# Altium PCB MAIN_BOARD.PcbDoc (part 4 of 4)
Units mm, origin at the board's own origin, x right, y up, seen from the top; angles counter-clockwise.
Board outline 130 x 120 mm, 4 copper layers (TOP, GND/INT_SIG_1, GND/INT_SIG_2, BOTTOM), stack 1.586 mm thick; 406 components, 346 nets, 1737 pads, 289 vias.
Unrouted connection lines stored in the file: 716.
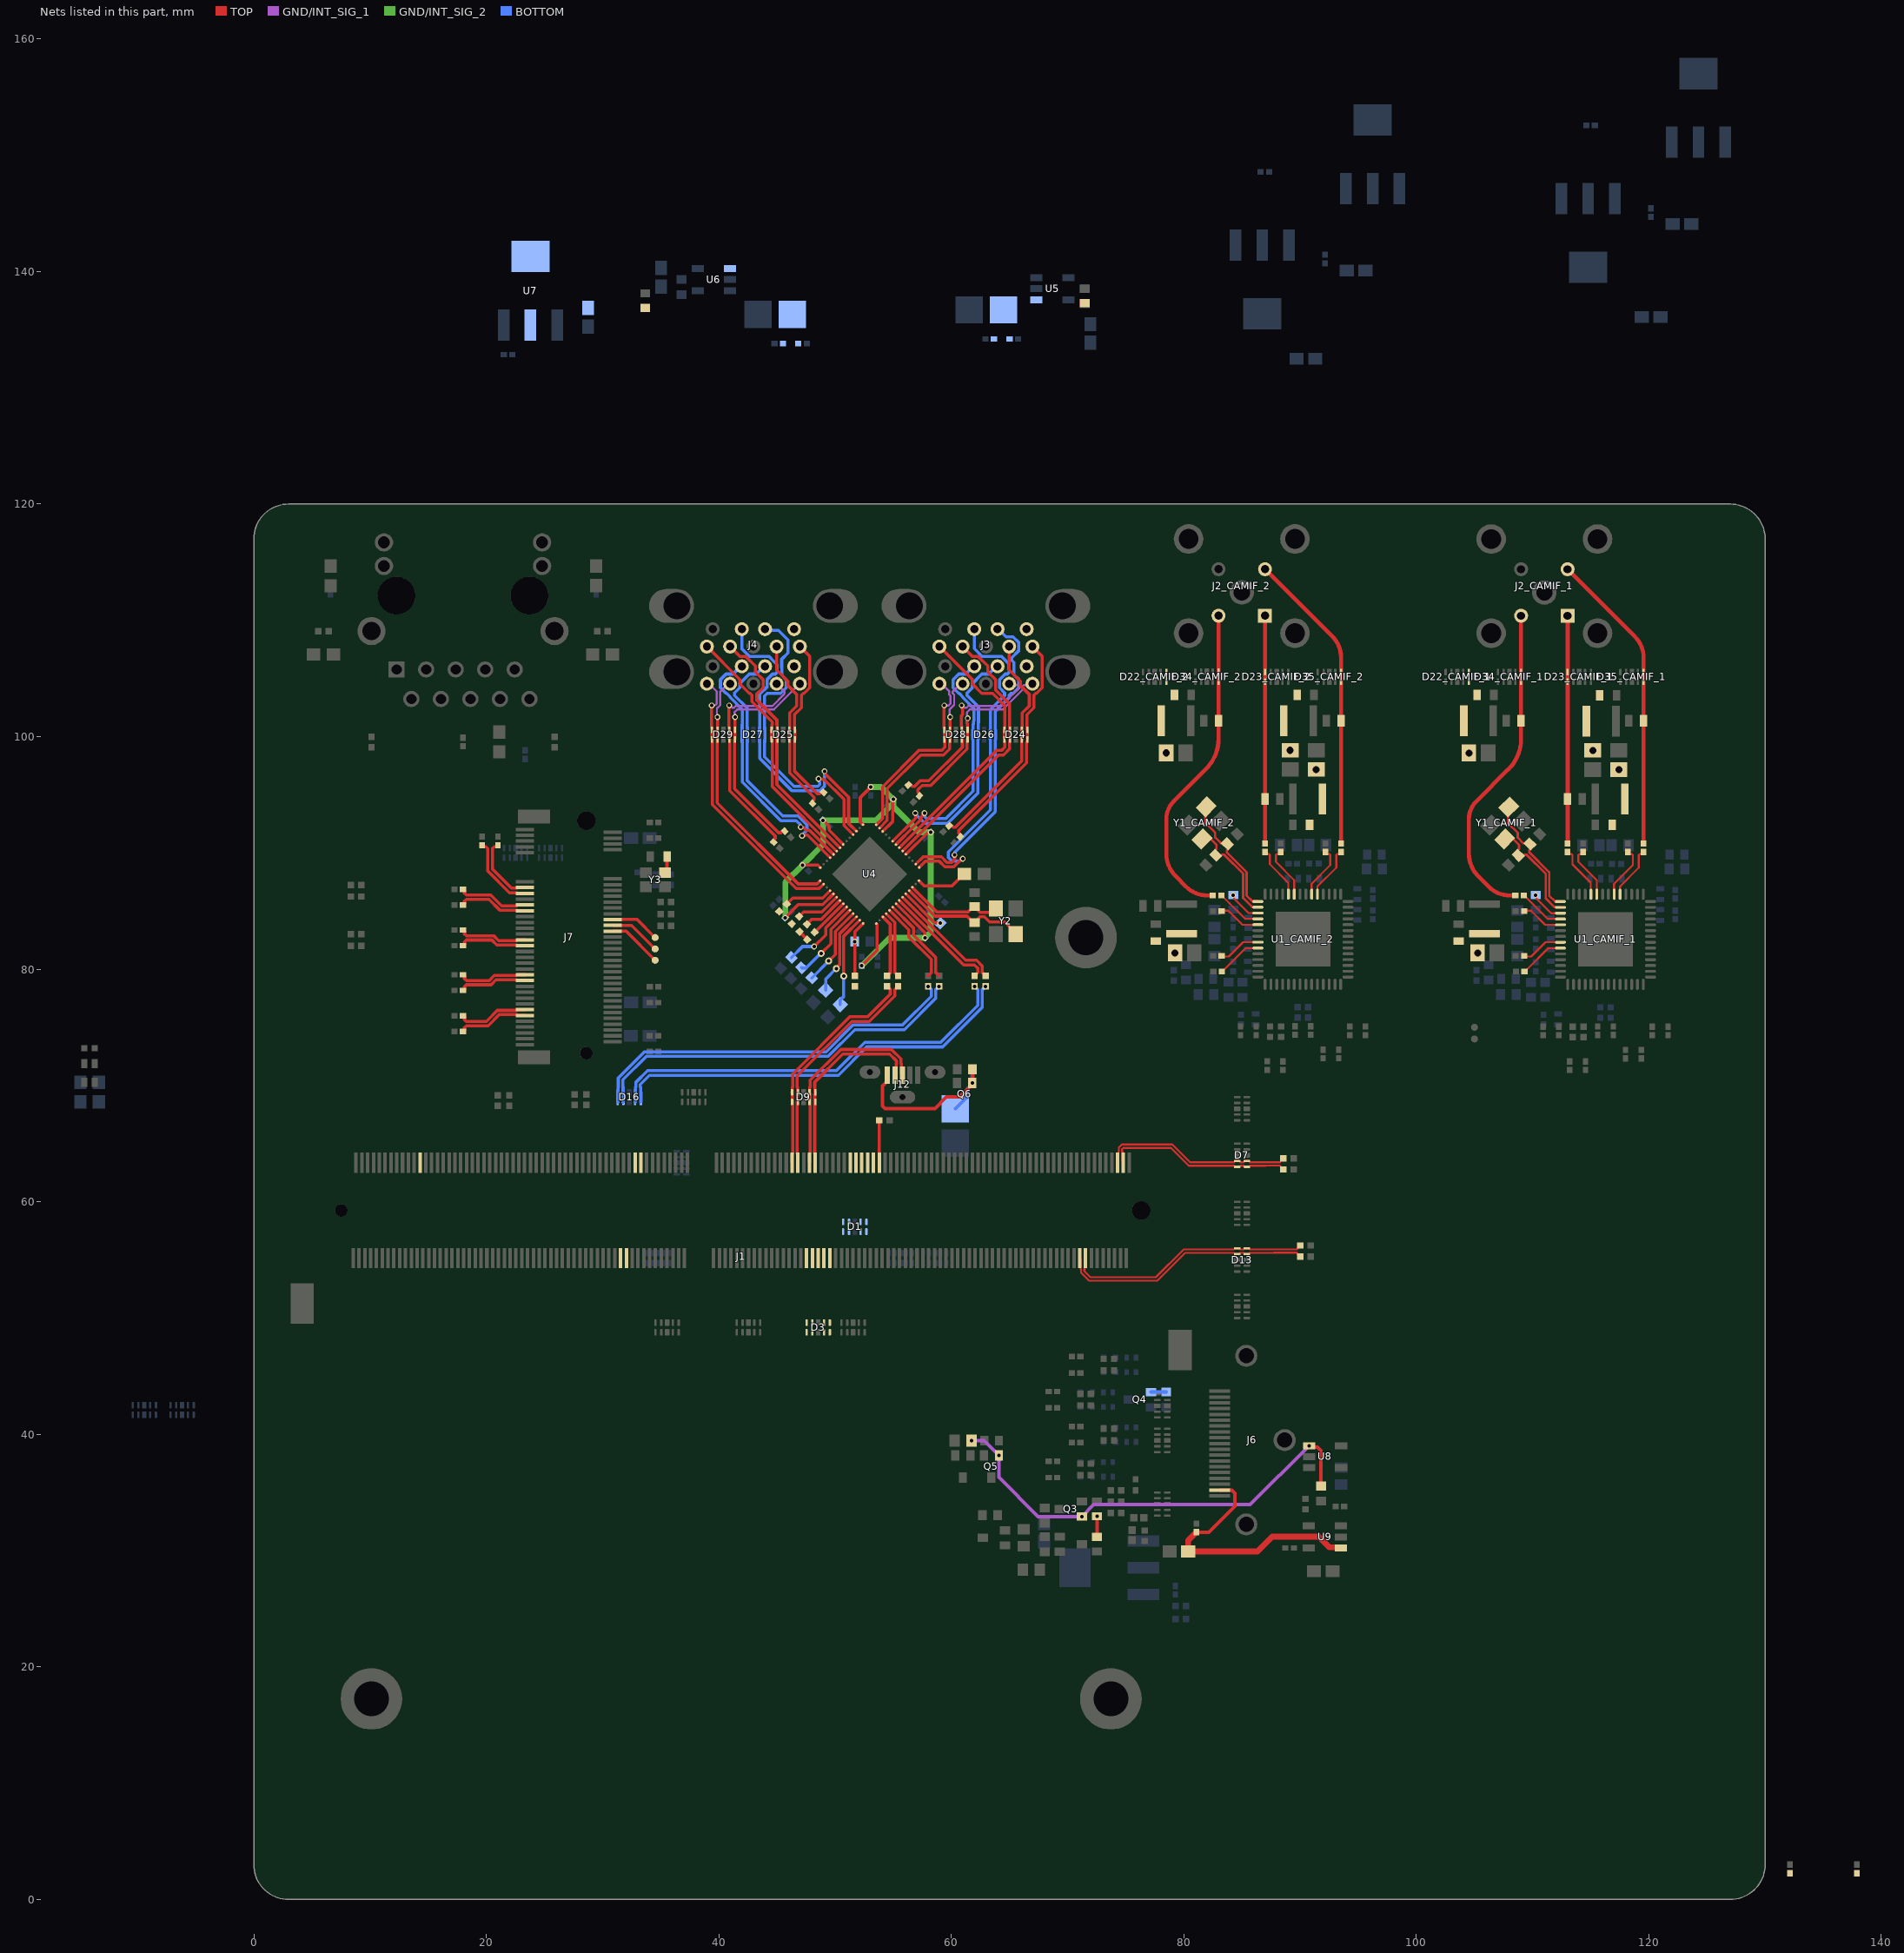
[diagram p6: the nets of this part, all layers, seen from the top]

## Via types
v1: diameter 0.5, hole 0.3, TOP to BOTTOM, 244 vias
v2: diameter 0.5, hole 0.2, TOP to BOTTOM, 32 vias
v3: diameter 1, hole 0.6, TOP to BOTTOM, 8 vias
v4: diameter 5, hole 3, TOP to BOTTOM, 5 vias

## Nets (pads, with @x,y where several pads share a name; then routed paths per layer and width w, separated by ;. In a path a pad name is that pad's centre, name@x,y a point inside that pad or via, vN(x,y) a via of type N, cw(c..) or ccw(c..) an arc to the next point about the centre after c; other vN are vias at no path point) (continued)
PoC_B_CAMIF_1: C8_CAMIF_1.2 D22_CAMIF_1.5 D22_CAMIF_1.6 D34_CAMIF_1.5 D34_CAMIF_1.6 J2_CAMIF_1.4 L5_CAMIF_1.2 | length 28
  TOP w0.355: 105.151,94.425 ccw(c106.678,92.898) 104.519,92.898 104.519,89.95 ccw(c107.315,89.95) 105.338,87.973 106.225,87.086 ccw(c108.021,88.882) 108.021,86.342 C8_CAMIF_1.2@108.511,86.342 ; 105.152,94.425 107.928,97.201 ccw(c105.321,99.808) 109.008,99.808 L5_CAMIF_1.2@109.008,101.367 D34_CAMIF_1.5@109.008,104.732 D34_CAMIF_1.6@109.008,105.567 J2_CAMIF_1.4@109.008,110.392
PoC_B_CAMIF_2: C8_CAMIF_2.2 D22_CAMIF_2.5 D22_CAMIF_2.6 D34_CAMIF_2.5 D34_CAMIF_2.6 J2_CAMIF_2.4 L5_CAMIF_2.2 | length 28
  TOP w0.355: 79.127,94.432 ccw(c80.654,92.906) 78.495,92.906 78.495,89.958 ccw(c81.291,89.958) 79.314,87.981 80.201,87.094 ccw(c81.997,88.89) 81.997,86.35 C8_CAMIF_2.2@82.487,86.35 ; 79.128,94.433 81.904,97.209 ccw(c79.297,99.816) 82.983,99.816 L5_CAMIF_2.2@82.983,101.375 D34_CAMIF_2.5@82.983,104.74 D34_CAMIF_2.6@82.983,105.575 J2_CAMIF_2.4@82.983,110.4
PoC_C_CAMIF_1: C15_CAMIF_1.2 D23_CAMIF_1.1 D23_CAMIF_1.10 J2_CAMIF_1.1 L7_CAMIF_1.2 | length 19.6
  TOP w0.355: C15_CAMIF_1.2@113.008,90.806 L7_CAMIF_1.2@113.008,94.642 D23_CAMIF_1.1@113.008,104.725 D23_CAMIF_1.10@113.008,105.56 J2_CAMIF_1.1@113.008,110.392
PoC_C_CAMIF_2: C15_CAMIF_2.2 D23_CAMIF_2.1 D23_CAMIF_2.10 J2_CAMIF_2.1 L7_CAMIF_2.2 | length 19.6
  TOP w0.355: C15_CAMIF_2.2@86.983,90.813 L7_CAMIF_2.2@86.983,94.65 D23_CAMIF_2.1@86.983,104.733 D23_CAMIF_2.10@86.983,105.568 J2_CAMIF_2.1@86.983,110.4
PoC_D_CAMIF_1: C16_CAMIF_1.2 D35_CAMIF_1.5 D35_CAMIF_1.6 J2_CAMIF_1.2 L9_CAMIF_1.2 | length 26.2
  TOP w0.355: J2_CAMIF_1.2@113.008,114.392 118.8,108.6 cw(c117.004,106.804) 119.544,106.804 D35_CAMIF_1.6@119.544,105.56 D35_CAMIF_1.5@119.544,104.725 L9_CAMIF_1.2@119.544,101.367 C16_CAMIF_1.2@119.544,90.806
PoC_D_CAMIF_2: C16_CAMIF_2.2 D35_CAMIF_2.5 D35_CAMIF_2.6 J2_CAMIF_2.2 L9_CAMIF_2.2 | length 26.2
  TOP w0.355: J2_CAMIF_2.2@86.983,114.4 92.776,108.608 cw(c90.98,106.812) 93.52,106.812 D35_CAMIF_2.6@93.52,105.568 D35_CAMIF_2.5@93.52,104.733 L9_CAMIF_2.2@93.52,101.375 C16_CAMIF_2.2@93.52,90.813
PoC_PWR_CAMIF_1: C121_CAMIF_1.1 C122_CAMIF_1.1 C123_CAMIF_1.1 C124_CAMIF_1.1 L2_CAMIF_1.1 L4_CAMIF_1.1 L6_CAMIF_1.1 L8_CAMIF_1.1 R24_CAMIF_1.1 R26_CAMIF_1.1 R27_CAMIF_1.1 R29_CAMIF_1.1
  other v3: 105.268,81.392 117.417,97.165 104.518,98.592 115.167,98.817
PoC_PWR_CAMIF_2: C121_CAMIF_2.1 C122_CAMIF_2.1 C123_CAMIF_2.1 C124_CAMIF_2.1 L2_CAMIF_2.1 L4_CAMIF_2.1 L6_CAMIF_2.1 L8_CAMIF_2.1 R24_CAMIF_2.1 R26_CAMIF_2.1 R27_CAMIF_2.1 R29_CAMIF_2.1
  other v3: 79.244,81.4 91.393,97.173 78.494,98.6 89.143,98.824
POWER_EN: J1.237
PRE_CLK_N: C116.1 J7.53 | length 6.5
  TOP w0.266: C116.1@19.65,90.667 19.65,90.633 19.753,90.53 19.972,90.53 20.128,90.374 20.128,88.448 22.004,86.573 22.647,86.573 22.7,86.52 J7.53@23.325,86.52
PRE_CLK_P: C117.1 J7.55 | length 5.9
  TOP w0.266: C117.1@21,90.667 21,90.633 20.897,90.53 20.678,90.53 20.522,90.374 20.522,88.611 22.167,86.966 22.647,86.966 22.7,87.02 J7.55@23.325,87.02
PRE_CSI0_D1_N: D13.1 D13.10 J1.16 R3.1 | length 21.3
  TOP w0.168: J1.16@71.55,55.15 71.484,55.084 71.484,54.203 71.447,54.166 71.447,54.023 71.971,53.5 77.593,53.5 79.99,55.898 84.297,55.898 84.4,56 D13.1@84.583,56 84.765,56 84.868,55.898 85.132,55.898 85.235,56 D13.10@85.417,56 85.6,56 85.703,55.898 87.634,55.898 87.643,55.906 89.711,55.906 89.809,56.005 89.809,56.044 R3.1@90,56.235
PRE_CSI0_D1_P: D13.2 D13.9 J1.18 R4.1 | length 21.8
  TOP w0.168: J1.18@71.05,55.15 71.116,55.084 71.116,54.203 71.152,54.166 71.152,53.901 71.848,53.205 77.715,53.205 80.112,55.602 84.297,55.602 84.4,55.5 D13.2@84.583,55.5 84.765,55.5 84.868,55.602 85.132,55.602 85.235,55.5 D13.9@85.417,55.5 85.6,55.5 85.703,55.602 87.756,55.602 87.765,55.611 89.711,55.611 89.809,55.513 89.809,55.474 R4.1@90,55.283
PRE_CSI1_D0_N: D7.1 D7.10 J1.3 R1.1 | length 16.1
  TOP w0.168: J1.3@74.8,63.35 74.734,63.416 74.734,64.297 74.697,64.334 74.697,64.535 74.796,64.633 78.888,64.633 80.419,63.102 84.297,63.102 84.4,63 D7.10@84.583,63 84.765,63 84.868,63.102 85.132,63.102 85.235,63 D7.1@85.417,63 85.6,63 85.703,63.102 87.035,63.102 87.037,63.104 88.261,63.104 88.359,63.006 88.359,62.966 R1.1@88.55,62.775
PRE_CSI1_D0_P: D7.2 D7.9 J1.5 R2.1 | length 16.6
  TOP w0.168: J1.5@74.3,63.35 74.366,63.416 74.366,64.297 74.402,64.334 74.402,64.657 74.674,64.928 79.01,64.928 80.541,63.397 84.297,63.397 84.4,63.5 D7.9@84.583,63.5 84.765,63.5 84.868,63.397 85.132,63.397 85.235,63.5 D7.2@85.417,63.5 85.6,63.5 85.703,63.397 86.913,63.397 86.914,63.399 88.261,63.399 88.359,63.498 88.359,63.537 R2.1@88.55,63.728
PRE_TX0_N: C107.1 J7.47 | length 6.1
  TOP w0.266: C107.1@18,85.524 18.022,85.524 18.125,85.627 18.125,85.859 18.281,86.015 20.229,86.015 21.159,85.086 22.634,85.086 22.7,85.02 J7.47@23.325,85.02
PRE_TX0_P: C114.1 J7.49 | length 6.1
  TOP w0.266: C114.1@18,86.874 18.022,86.874 18.125,86.771 18.125,86.539 18.281,86.383 20.382,86.383 21.311,85.454 22.634,85.454 22.7,85.52 J7.49@23.325,85.52
PRE_TX1_N: C102.1 J7.35 | length 5.9
  TOP w0.266: C102.1@18,82.02 18.022,82.02 18.125,82.123 18.125,82.354 18.281,82.511 20.482,82.511 20.907,82.086 22.634,82.086 22.7,82.02 J7.35@23.325,82.02
PRE_TX1_P: C103.1 J7.37 | length 5.9
  TOP w0.266: C103.1@18,83.37 18.022,83.37 18.125,83.267 18.125,83.035 18.281,82.879 20.634,82.879 21.059,82.454 22.634,82.454 22.7,82.52 J7.37@23.325,82.52
PRE_TX2_N: C100.1 J7.23 | length 5.9
  TOP w0.266: C100.1@18,78.17 18.022,78.17 18.125,78.273 18.125,78.504 18.281,78.661 20.418,78.661 20.843,79.086 22.634,79.086 22.7,79.02 J7.23@23.325,79.02
PRE_TX2_P: C101.1 J7.25 | length 5.9
  TOP w0.266: C101.1@18,79.52 18.022,79.52 18.125,79.417 18.125,79.185 18.281,79.029 20.266,79.029 20.691,79.454 22.634,79.454 22.7,79.52 J7.25@23.325,79.52
PRE_TX3_N: C98.1 J7.11 | length 6.1
  TOP w0.266: C98.1@18.002,74.646 18.023,74.646 18.126,74.749 18.126,74.982 18.282,75.138 20.158,75.138 21.105,76.086 22.634,76.086 22.7,76.02 J7.11@23.325,76.02
PRE_TX3_P: C99.1 J7.13 | length 6.1
  TOP w0.266: C99.1@18,75.998 18.021,75.998 18.124,75.895 18.124,75.662 18.281,75.506 20.005,75.506 20.953,76.454 22.634,76.454 22.7,76.52 J7.13@23.325,76.52
PRT01_CTL: R41.1 R42.2 R44.2 | length 1
  TOP w0.3: R44.2@46.943,83.227 46.943,83.221 47.611,82.552 R42.2@47.611,82.546
PRT23_CTL: R45.2 R46.2 R50.1
REC_USB_VBUS: C118.1 C119.2 J12.1 Q6.1 R22.2 | length 15.6
  TOP w0.3: J12.1@54.5,70.9 54.425,70.825 54.425,70.3 54.075,69.95 54.075,68.225 54.3,68 58.585,68 59.587,69.002 60.702,69.002 61.8,70.1 v1(61.8,70.2) R22.2@61.8,71.4
  BOTTOM w0.3: C118.1@60.35,68 61.375,69.025 61.375,69.692 61.8,70.117 C119.2@61.8,70.15 v1(61.8,70.2)
SIOA_CAMIF_1_N: C12_CAMIF_1.1 U1_CAMIF_1.22 | length 3.7
  TOP w0.168: C12_CAMIF_1.1@109.269,81.142 109.323,81.088 109.886,81.088 111.115,82.317 U1_CAMIF_1.22@112.394,82.317
SIOA_CAMIF_1_P: C7_CAMIF_1.1 U1_CAMIF_1.23 | length 3.9
  TOP w0.168: C7_CAMIF_1.1@109.294,79.792 109.327,79.792 109.48,79.945 109.48,79.95 111.329,81.799 112.376,81.799 U1_CAMIF_1.23@112.394,81.817
SIOA_CAMIF_2_N: C12_CAMIF_2.1 U1_CAMIF_2.22 | length 3.7
  TOP w0.168: C12_CAMIF_2.1@83.245,81.15 83.299,81.096 83.862,81.096 85.09,82.325 U1_CAMIF_2.22@86.37,82.325
SIOA_CAMIF_2_P: C7_CAMIF_2.1 U1_CAMIF_2.23 | length 3.9
  TOP w0.168: C7_CAMIF_2.1@83.27,79.8 83.303,79.8 83.455,79.952 83.455,79.957 85.305,81.807 86.352,81.807 U1_CAMIF_2.23@86.37,81.825
SIOB_CAMIF_1_N: C13_CAMIF_1.1 U1_CAMIF_1.19 | length 3.6
  TOP w0.168: C13_CAMIF_1.1@109.269,84.992 109.308,85.032 109.856,85.032 111.072,83.815 112.392,83.815 U1_CAMIF_1.19@112.394,83.817
SIOB_CAMIF_1_P: C8_CAMIF_1.1 U1_CAMIF_1.18 | length 4
  TOP w0.168: C8_CAMIF_1.1@109.244,86.342 109.277,86.342 109.952,85.668 111.287,84.333 112.378,84.333 U1_CAMIF_1.18@112.394,84.317
SIOB_CAMIF_2_N: C13_CAMIF_2.1 U1_CAMIF_2.19 | length 3.6
  TOP w0.168: C13_CAMIF_2.1@83.245,85 83.284,85.039 83.832,85.039 85.048,83.823 86.368,83.823 U1_CAMIF_2.19@86.37,83.825
SIOB_CAMIF_2_P: C8_CAMIF_2.1 U1_CAMIF_2.18 | length 4
  TOP w0.168: C8_CAMIF_2.1@83.22,86.35 83.253,86.35 83.927,85.676 85.262,84.341 86.354,84.341 U1_CAMIF_2.18@86.37,84.325
SIOC_CAMIF_1_N: C17_CAMIF_1.1 U1_CAMIF_1.9 | length 4.6
  TOP w0.168: C17_CAMIF_1.1@114.351,90.073 114.351,90.062 114.198,89.91 114.037,89.91 113.938,89.811 113.938,89.231 115.519,87.65 U1_CAMIF_1.9@115.519,86.442
SIOC_CAMIF_1_P: C15_CAMIF_1.1 U1_CAMIF_1.10 | length 4.6
  TOP w0.168: C15_CAMIF_1.1@113.008,90.073 113.008,90.062 113.16,89.91 113.322,89.91 113.42,89.811 113.42,89.016 115.001,87.435 115.001,86.46 U1_CAMIF_1.10@115.019,86.442
SIOC_CAMIF_2_N: C17_CAMIF_2.1 U1_CAMIF_2.9 | length 4.6
  TOP w0.168: C17_CAMIF_2.1@88.326,90.08 88.326,90.07 88.174,89.917 88.012,89.917 87.914,89.819 87.914,89.238 89.495,87.657 U1_CAMIF_2.9@89.495,86.45
SIOC_CAMIF_2_P: C15_CAMIF_2.1 U1_CAMIF_2.10 | length 4.6
  TOP w0.168: C15_CAMIF_2.1@86.983,90.08 86.983,90.07 87.136,89.917 87.298,89.917 87.396,89.819 87.396,89.024 88.977,87.443 88.977,86.468 U1_CAMIF_2.10@88.995,86.45
SIOD_CAMIF_1_N: C18_CAMIF_1.1 U1_CAMIF_1.6 | length 4.6
  TOP w0.168: U1_CAMIF_1.6@117.019,86.442 117.001,86.46 117.001,87.33 118.613,88.943 118.613,89.811 118.515,89.91 118.353,89.91 118.201,90.062 C18_CAMIF_1.1@118.201,90.073
SIOD_CAMIF_1_P: C16_CAMIF_1.1 U1_CAMIF_1.5 | length 4.6
  TOP w0.168: U1_CAMIF_1.5@117.519,86.442 117.519,87.116 119.131,88.728 119.131,89.811 119.23,89.91 119.392,89.91 119.544,90.062 C16_CAMIF_1.1@119.544,90.073
SIOD_CAMIF_2_N: C18_CAMIF_2.1 U1_CAMIF_2.6 | length 4.6
  TOP w0.168: U1_CAMIF_2.6@90.995,86.45 90.977,86.468 90.977,87.338 92.589,88.951 92.589,89.819 92.491,89.917 92.329,89.917 92.177,90.07 C18_CAMIF_2.1@92.177,90.08
SIOD_CAMIF_2_P: C16_CAMIF_2.1 U1_CAMIF_2.5 | length 4.6
  TOP w0.168: U1_CAMIF_2.5@91.495,86.45 91.495,87.124 93.107,88.736 93.107,89.819 93.206,89.917 93.367,89.917 93.52,90.07 C16_CAMIF_2.1@93.52,90.08
SMB_CLK: J7.40 TP5.1 | length 4.7
  TOP w0.266: J7.40@30.875,83.27 32.025,83.27 TP5.1@34.525,80.77
SMB_DATA: J7.42 TP6.1 | length 4.5
  TOP w0.266: J7.42@30.875,83.77 32.5,83.77 TP6.1@34.525,81.745
SMB_nALERT: J7.44 TP7.1 | length 4.3
  TOP w0.266: J7.44@30.875,84.27 32.975,84.27 TP7.1@34.525,82.72
SPI0_MISO: D1.4 D1.7 J1.93
SPI0_MOSI: D1.1 D1.10 J1.89
SPI0_nCS_0: D1.5 D1.6 J1.95
SPI0_nCS_1: J1.97
SPI0_SCLK: D1.2 D1.9 J1.91
SPI1_MISO: D3.4 D3.7 J1.108
SPI1_MOSI: D3.1 D3.10 J1.104
SPI1_nCS_0: D3.5 D3.6 J1.110
SPI1_nCS_1: J1.112
SPI1_SCLK: D3.2 D3.9 J1.106
SUSCLK_32: R102.2 Y3.3 | length 1.5
  TOP w0.3: Y3.3@35.362,88.313 35.55,88.5 R102.2@35.55,89.7
USB0_D_N: D9.1 D9.10 J1.109 J12.2 | length 16.5
  TOP w0.266: J1.109@48.3,63.35 48.3,64.075 48.247,64.128 48.247,69.248 48.3,69.301 D9.1@48.3,69.417 48.267,69.451 48.267,69.846 48.247,69.866 48.247,70.284 50.663,72.7 54.694,72.7 55.278,72.116 55.278,71.895 55.242,71.859 55.242,70.992 J12.2@55.15,70.9
USB0_D_P: D9.2 D9.9 J1.111 J12.3 | length 17.8
  TOP w0.266: J1.111@47.8,63.35 47.8,64.075 47.853,64.128 47.853,69.248 47.8,69.301 D9.2@47.8,69.417 47.833,69.451 47.833,69.846 47.853,69.866 47.853,70.447 50.5,73.093 54.857,73.093 55.672,72.279 55.672,71.895 55.708,71.859 55.708,70.992 J12.3@55.8,70.9
USB0_RX_N: D24.1 D24.10 J3.A5 U4.7 | length 23.9
  TOP w0.266: U4.7@55.529,90.448 55.533,90.448 63.896,98.811 64.324,98.811 64.603,99.09 64.603,99.311 64.583,99.331 D24.1@64.583,99.61 ; J3.A5@58.975,107.747 61.81,104.912 61.81,104.531 62.629,103.712 63.541,103.712 64.603,102.65 64.603,101.043 64.583,101.023 64.583,100.628 D24.10@64.55,100.594 D24.1@64.55,99.909
USB0_RX_P: D24.2 D24.9 J3.A6 U4.6 | length 23.5
  TOP w0.266: U4.6@55.812,90.165 55.812,90.17 64.059,98.417 64.487,98.417 64.997,98.927 64.997,99.311 65.017,99.331 D24.2@65.017,99.61 ; J3.A6@60.975,107.747 61.84,106.882 62.321,106.882 63.14,106.062 63.14,105.562 63.81,104.893 63.81,104 64.997,102.813 64.997,101.043 65.017,101.023 65.017,100.628 D24.9@65.05,100.594 D24.2@65.05,99.759
USB0_TX_N: C60.2 D24.4 D24.7 J3.A8 | length 19.6
  TOP w0.266: C60.2@59.818,92.333 59.842,92.357 59.988,92.357 60.14,92.204 60.361,92.204 66.067,97.91 66.067,99.65 66.103,99.687 66.103,99.759 66.05,99.813 D24.7@66.05,100.594 66.083,100.628 66.083,101.023 66.103,101.043 66.103,102.04 66.71,102.647 66.71,103.631 65.932,104.409 65.932,104.771 64.975,105.727 J3.A8@64.975,107.747
USB0_TX_P: C65.2 D24.5 D24.6 J3.A9 | length 19.7
  TOP w0.266: C65.2@60.768,91.383 60.792,91.407 60.792,91.553 60.639,91.705 60.639,91.926 66.46,97.747 66.46,99.487 66.517,99.544 D24.5@66.517,99.61 ; D24.5@66.55,99.759 D24.6@66.55,100.594 66.517,100.628 66.517,101.023 66.497,101.043 66.497,101.877 67.103,102.484 67.103,103.556 67.259,103.712 67.321,103.712 67.81,104.201 67.81,106.912 J3.A9@66.975,107.747
USB1_D_N: D9.4 D9.7 J1.115 R30.1 | length 19.7
  TOP w0.266: J1.115@46.8,63.35 46.8,64.075 46.747,64.128 46.747,66.182 46.747,68.715 46.767,68.735 46.767,69.384 D9.4@46.8,69.417 46.767,69.451 46.767,69.846 46.747,69.866 46.747,70.822 51.432,75.507 52.948,75.507 55.147,77.706 55.147,78.249 R30.1@55.425,78.527
USB1_D_P: D9.5 D9.6 J1.117 R31.1 | length 19.7
  TOP w0.266: J1.117@46.3,63.35 46.3,64.075 46.353,64.128 46.353,66.345 46.353,68.715 46.333,68.735 46.333,69.384 D9.5@46.3,69.417 46.333,69.451 46.333,69.846 46.353,69.866 46.353,70.985 51.269,75.9 52.785,75.9 54.753,77.869 54.753,78.249 R31.1@54.475,78.527
USB1_RX_N: D28.1 D28.10 J3.B5 U4.14 | length 16.7
  TOP w0.266: U4.14@53.541,92.42 53.545,92.42 54.09,92.964 54.09,95.692 57.209,98.811 59.174,98.811 59.453,99.09 59.453,99.311 59.433,99.331 59.433,99.726 D28.1@59.4,99.759 59.4,100.71 59.36,100.751 59.36,102.644 v1(59.393,102.677)
  GND/INT_SIG_1 w0.179: J3.B5@58.975,104.547 59.154,104.547 59.822,103.879 59.822,103.604 59.939,103.487 59.939,102.846 59.769,102.676 v1(59.393,102.677)
USB1_RX_P: D28.2 D28.9 J3.B6 U4.13 | length 16.8
  TOP w0.266: U4.13@53.824,92.137 53.824,92.141 54.484,92.801 54.484,95.529 57.372,98.417 59.337,98.417 59.847,98.927 59.847,99.311 59.867,99.331 59.867,99.726 D28.2@59.9,99.759 D28.9@59.9,100.594 59.897,100.598 59.897,101.673 v1(59.893,101.677)
  GND/INT_SIG_1 w0.179: v1(59.893,101.677) 59.843,101.727 59.843,102.318 60.245,102.72 60.245,103.614 60.128,103.731 60.128,103.879 60.796,104.547 J3.B6@60.975,104.547
USB1_TX_N: C61.2 D28.4 D28.7 J3.B8 | length 16.6
  TOP w0.266: C61.2@56.307,95.845 56.33,95.869 56.476,95.869 56.629,95.716 56.849,95.716 57.33,96.196 58.06,96.196 60.953,99.09 60.953,99.759 60.9,99.813 60.9,100.88 60.85,100.93 60.85,101.727 60.879,101.757 60.879,101.804 60.983,101.908 60.983,102.346 60.938,102.391 60.938,102.632 v1@60.9,102.67
  GND/INT_SIG_1 w0.179: v1(60.893,102.677) 60.967,102.677 61.158,102.486 61.306,102.486 61.457,102.637 64.292,102.637 65.822,104.167 65.822,104.315 65.718,104.419 65.103,104.419 J3.B8@64.975,104.547
USB1_TX_P: C68.2 D28.5 D28.6 J3.B9 | length 16.2
  TOP w0.266: C68.2@57.257,94.895 57.28,94.919 57.28,95.065 57.128,95.217 57.128,95.438 57.492,95.803 58.222,95.803 61.347,98.927 61.347,99.759 61.4,99.813 D28.6@61.4,100.594 ; D28.6@61.397,100.751 61.397,101.085 61.346,101.136 61.346,101.356 61.368,101.378 61.368,101.543 v1(61.413,101.588)
  GND/INT_SIG_1 w0.179: v1(61.413,101.588) 61.351,101.649 61.351,101.878 61.343,101.887 61.343,102.09 61.584,102.331 64.419,102.331 66.128,104.04 66.128,104.315 66.232,104.419 66.847,104.419 J3.B9@66.975,104.547
USB2_RX_N: D25.1 D25.10 J4.A5 U4.23 | length 22.3
  TOP w0.266: J4.A5@38.975,107.747 41.81,104.912 41.81,104.531 42.629,103.712 42.695,103.712 42.851,103.556 42.851,103.016 44.603,101.264 44.603,101.043 44.583,101.023 44.583,100.628 D25.10@44.55,100.594 44.55,99.813 44.603,99.759 44.603,95.705 50.147,90.161 U4.23@50.147,90.157
USB2_RX_P: D25.2 D25.9 J4.A6 U4.22 | length 22
  TOP w0.266: J4.A6@40.975,107.747 41.84,106.882 42.321,106.882 43.14,106.062 43.14,105.562 43.81,104.893 43.81,104.201 43.244,103.635 43.244,103.179 44.997,101.427 44.997,101.043 45.017,101.023 45.017,100.628 D25.9@45.05,100.594 45.05,99.813 44.997,99.759 44.997,95.868 50.425,90.44 U4.22@50.429,90.44
USB2_TX_N: C62.2 D25.4 D25.7 J4.A8 | length 15.4
  TOP w0.266: J4.A8@44.975,107.747 44.975,105.727 45.932,104.771 45.932,104.409 46.71,103.631 46.71,102.647 46.103,102.04 46.103,101.043 46.083,101.023 46.083,100.628 D25.7@46.05,100.594 D25.4@46.05,99.759 46.083,99.726 46.083,99.331 46.103,99.311 46.103,96.884 48.189,94.798 48.189,94.577 48.036,94.424 48.036,94.279 C62.2@48.06,94.255
USB2_TX_P: C69.2 D25.5 D25.6 J4.A9 | length 15.1
  TOP w0.266: J4.A9@46.975,107.747 47.81,106.912 47.81,104.201 47.321,103.712 47.259,103.712 47.103,103.556 47.103,102.484 46.497,101.877 46.497,101.043 46.517,101.023 46.517,100.628 D25.6@46.55,100.594 D25.5@46.55,99.759 46.517,99.726 46.517,99.331 46.497,99.311 46.497,97.047 48.467,95.076 48.688,95.076 48.841,95.229 48.986,95.229 C69.2@49.01,95.205
USB2UP_N: R30.2 U4.46 | length 5.8
  TOP w0.266: U4.46@54.397,84.774 54.397,84.77 55.147,84.021 55.147,79.705 R30.2@55.425,79.427
USB2UP_P: R31.2 U4.45 | length 5.4
  TOP w0.266: U4.45@54.115,84.492 54.119,84.492 54.753,83.858 54.753,79.705 R31.2@54.475,79.427
USB3_RX_N: D29.1 D29.10 J4.B5 U4.30 | length 23.9
  TOP w0.266: v1(39.393,102.677) 39.36,102.644 39.36,100.751 39.4,100.71 39.4,99.813 39.453,99.759 39.453,94.149 46.663,86.939 48.621,86.939 49.002,87.32 U4.30@49.007,87.32
  GND/INT_SIG_1 w0.179: J4.B5@38.975,104.547 39.154,104.547 39.822,103.879 39.822,102.98 39.822,102.832 39.718,102.727 39.444,102.727 v1(39.393,102.677)
USB3_RX_P: D29.2 D29.9 J4.B6 U4.29 | length 22.7
  TOP w0.266: v1(39.893,101.677) 39.896,101.673 39.896,100.598 D29.9@39.9,100.594 39.9,99.813 39.847,99.759 39.847,94.312 46.826,87.332 48.458,87.332 48.724,87.598 U4.29@48.724,87.603
  GND/INT_SIG_1 w0.179: v1(39.893,101.677) 39.843,101.727 39.843,102.421 40.128,102.705 40.128,103.107 40.128,103.879 40.796,104.547 J4.B6@40.975,104.547
USB3_TX_N: C64.2 D29.4 D29.7 J4.B8 | length 20
  TOP w0.266: v1(40.893,102.677) 40.86,102.644 40.86,100.751 40.9,100.71 40.9,99.813 40.953,99.759 40.953,95.357 44.847,91.463 44.847,91.242 44.695,91.09 44.695,90.944 C64.2@44.718,90.92
  GND/INT_SIG_1 w0.179: v1(40.893,102.677) 40.967,102.677 41.158,102.486 41.306,102.486 41.457,102.637 44.616,102.637 45.636,103.657 45.636,103.736 45.637,103.737 45.637,103.885 J4.B8@44.975,104.547
USB3_TX_P: C70.2 D29.5 D29.6 J4.B9 | length 19.4
  TOP w0.266: v1(41.393,101.677) 41.396,101.673 41.396,100.598 D29.6@41.4,100.594 41.4,99.813 41.347,99.759 41.347,95.52 45.126,91.741 45.346,91.741 45.499,91.894 45.645,91.894 C70.2@45.668,91.87
  GND/INT_SIG_1 w0.179: v1(41.393,101.677) 41.343,101.727 41.343,102.09 41.584,102.331 44.742,102.331 46.699,104.288 46.699,104.547 J4.B9@46.975,104.547
USB3UP_RX_N: R33.2 U4.51 | length 10.3
  TOP w0.266: U4.51@55.803,86.197 55.803,86.192 61.234,80.761 62.158,80.761 62.672,80.248 62.672,79.705 R33.2@62.95,79.427
USB3UP_RX_P: R34.2 U4.50 | length 9.9
  TOP w0.266: U4.50@55.521,85.914 55.525,85.914 61.071,80.368 61.995,80.368 62.278,80.085 62.278,79.705 R34.2@62,79.427
USB3UP_TX_N: C39.1 U4.48 | length 7.6
  TOP w0.266: U4.48@54.963,85.34 54.963,85.336 56.736,83.563 56.736,82.937 58.672,81.001 58.672,79.705 58.95,79.427
USB3UP_TX_P: C74.1 U4.47 | length 7.2
  TOP w0.266: U4.47@54.68,85.057 54.685,85.057 56.342,83.4 56.342,82.774 58.278,80.838 58.278,79.705 58,79.427
USB_1V2: C44.2 C45.2 C46.2 C47.2 C48.2 C50.2 C51.2 C54.2 C77.1 U4.5 U4.12 U4.15 U4.21 U4.28 U4.33 U4.43 U4.49 U7.2 U7.4 | length 66.5
  TOP w0.266: v1(45.716,84.433) 46.834,85.552 48.936,85.552 U4.33@49.855,86.472 ; v1(47.2,88.952) 48.523,88.952 U4.28@48.732,88.743 ; v1(48.975,92.802) 48.984,92.802 49.5,92.286 49.5,91.935 U4.21@50.704,90.731 ; v1(52.3,80.31) 53.626,81.636 53.626,83.849 U4.43@53.549,83.926 ; U4.15@52.401,92.428 52.175,92.654 52.175,94.765 v1(53.075,95.665) ; U4.12@54.106,91.854 54.972,92.72 54.972,94.557 v1(55.017,94.602) ; U4.49@55.246,85.623 57.725,83.144 v1(57.725,82.702) ; U4.5@56.095,89.882 57.945,91.732 58.18,91.732 v1(58.225,91.777)
  GND/INT_SIG_2 w0.5: v1(45.716,84.433) 45.716,87.468 v1(47.2,88.952) 48.975,90.727 v1(48.975,92.802) 53.525,92.802 55.017,94.293 ; v1(52.3,80.31) 54.692,82.702 v1(57.725,82.702) 58.225,83.202 v1(58.225,91.777) 57.225,91.777 55.017,93.985 55.017,94.293 ; v1(53.075,95.665) 53.953,95.665 v1(55.017,94.602) 55.017,94.293
USB_ATEST: R39.2 U4.52 | length 4
  TOP w0.266: U4.52@56.086,86.48 58.57,83.997 59.005,83.997 v1(59.05,83.952)
USB_CFG_CHG_EN: R49.1 TP3.1 U4.40 | length 7.4
  TOP w0.266: v1(50.1,80.052) 50.1,80.093 50.382,80.375 50.382,83.038 U4.40@51.844,84.5
  BOTTOM w0.266: R49.1@49.196,78.198 49.194,78.2 49.194,78.688 49.196,78.69 49.196,79.148 v1(50.1,80.052)
USB_CFG_NON_REM: R47.2 TP1.1 U4.41 | length 8
  TOP w0.266: v1(50.75,79.402) 50.75,82.841 U4.41@52.126,84.217
  BOTTOM w0.266: R47.2@50.446,76.948 50.446,77.346 50.75,77.649 v1(50.75,79.402)
USB_nRESET: R37.1 R38.1 U4.42 | length 4.8
  TOP w0.266: R38.1@51.7,79.402 51.7,83.225 U4.42@52.409,83.934
  other v1: 51.7,82.377
USB_nRST: R38.2
USB_PRT_CTL1: R42.1 U4.36 | length 3.5
  TOP w0.266: R42.1@48.247,83.182 48.263,83.182 U4.36@50.712,85.631
USB_PRT_CTL2: R44.1 U4.35 | length 3.7
  TOP w0.266: R44.1@47.579,83.864 48.017,84.302 48.817,84.302 U4.35@50.421,85.906
USB_PRT_CTL3: R45.1 U4.34 | length 3.9
  TOP w0.266: R45.1@46.904,84.539 47.293,84.928 48.877,84.928 U4.34@50.138,86.189
USB_PRT_CTL4: R46.1 U4.32 | length 4.2
  TOP w0.266: R46.1@45.836,85.604 46.359,86.127 48.945,86.127 U4.32@49.573,86.754
USB_RBIAS: R40.1 U4.56 | length 4.5
  TOP w0.266: U4.56@57.218,87.611 57.652,87.177 60.075,87.177 61.075,88.177 R40.1@61.125,88.177
USB_SPI_MISO: R51.1 TP4.1 U4.39 | length 7
  TOP w0.266: v1(49.45,80.702) 50.014,81.266 50.014,83.236 U4.39@51.561,84.783
  BOTTOM w0.266: R51.1@48,79.252 v1(49.45,80.702)
USB_SPI_SCLK: R48.1 TP2.1 U4.38 | length 7
  TOP w0.266: v1(48.8,81.352) 49.646,82.198 49.646,83.433 U4.38@51.278,85.066
  BOTTOM w0.266: R48.1@47.125,80.127 47.16,80.092 47.502,80.092 48.763,81.352 v1(48.8,81.352)
USBH0_D_N: D26.1 D26.10 J3.A2 U4.2 | length 27.8
  TOP w0.266: U4.2@56.943,89.034 56.948,89.034 57.589,89.674 59.132,89.674 59.613,89.194 60.047,89.194 60.285,89.431 60.285,89.817 v1(60.275,89.827)
  BOTTOM w0.266: v1(60.275,89.827) 60.32,89.872 60.32,90.089 63.772,93.541 63.772,99.311 63.792,99.331 63.792,99.726 D26.1@63.825,99.759 D26.10@63.825,100.594 63.792,100.628 63.792,101.023 63.772,101.043 63.772,102.163 64.976,103.367 64.976,103.556 65.132,103.712 65.321,103.712 65.81,104.201 65.81,104.893 65.378,105.325 65.378,106.381 65.194,106.565 65.194,106.785 65.81,107.401 65.81,108.093 65.321,108.582 64.724,108.582 64.058,109.247 J3.A2@63.975,109.247
USBH0_D_P: D26.2 D26.9 J3.A3 U4.1 | length 30.5
  TOP w0.266: U4.1@57.226,88.751 57.226,88.755 57.751,89.281 58.969,89.281 59.45,88.8 60.21,88.8 60.686,89.276 60.912,89.502 v1(60.975,89.502)
  BOTTOM w0.266: v1(60.975,89.502) 60.912,89.502 60.704,89.294 60.054,89.294 59.742,89.606 59.742,90.068 63.378,93.704 63.378,99.311 63.358,99.331 63.358,99.726 D26.2@63.325,99.759 D26.9@63.325,100.594 63.358,100.628 63.358,101.023 63.378,101.043 63.378,102.326 64.582,103.53 64.582,103.759 64.14,104.201 64.14,104.893 64.629,105.382 64.828,105.382 64.985,105.538 64.985,106.218 64.801,106.402 64.801,106.409 64.297,106.912 62.629,106.912 61.975,107.566 J3.A3@61.975,109.247
USBH1_D_N: D26.4 D26.7 J3.B2 U4.9 | length 22.9
  TOP w0.266: U4.9@54.955,91.005 55.037,91.088 55.043,91.088 56.664,92.709 56.948,92.993 56.948,93.214 56.945,93.217 56.945,93.382 v1(56.9,93.427)
  BOTTOM w0.266: v1(56.9,93.427) 56.9,93.364 57.714,92.55 59.681,92.55 62.272,95.14 62.272,99.311 62.292,99.331 62.292,99.726 D26.4@62.325,99.759 D26.7@62.325,100.594 62.308,100.611 62.308,101.173 62.339,101.204 62.339,102.558 61.364,103.534 61.364,103.755 61.81,104.201 61.81,104.562 62.629,105.382 63.226,105.382 63.892,106.047 J3.B2@63.975,106.047
USBH1_D_P: D26.5 D26.6 J3.B3 U4.8 | length 22
  TOP w0.266: U4.8@55.24,90.722 55.24,90.729 56.827,92.315 57.342,92.83 57.342,93.017 57.688,93.364 v1(57.688,93.427)
  BOTTOM w0.266: v1(57.688,93.427) 57.733,93.382 57.733,93.113 57.903,92.943 59.518,92.943 61.878,95.303 61.878,99.311 61.858,99.331 61.858,99.726 D26.5@61.825,99.759 D26.6@61.825,100.594 61.858,100.628 61.858,101.023 61.915,101.079 61.915,101.336 61.946,101.367 61.946,102.395 60.97,103.371 60.97,103.432 60.691,103.712 60.629,103.712 60.14,104.201 60.14,104.893 60.629,105.382 61.226,105.382 61.892,106.047 J3.B3@61.975,106.047
USBH2_D_N: D27.1 D27.10 J4.A2 U4.18 | length 27
  TOP w0.266: v1(48.569,96.377) 48.613,96.332 49.052,96.332 50.768,94.617 50.768,92.369 51.553,91.584 U4.18@51.553,91.579
  BOTTOM w0.266: J4.A2@43.975,109.247 44.075,109.147 45.128,109.147 45.95,108.325 45.95,107.2 45.41,106.66 45.41,105.931 45.42,105.921 45.42,105.283 45.81,104.893 45.81,104.201 45.321,103.712 44.629,103.712 44.624,103.717 44.152,103.717 43.922,103.487 43.922,101.043 43.942,101.023 43.942,100.628 D27.10@43.975,100.594 D27.1@43.975,99.759 43.942,99.726 43.942,98.258 46.473,95.727 48.52,95.727 48.676,95.883 48.676,96.104 48.613,96.167 48.613,96.332 v1(48.569,96.377)
USBH2_D_P: D27.2 D27.9 J4.A3 U4.17 | length 28.3
  TOP w0.266: 49.216,96.757 49.216,96.725 51.161,94.779 51.161,92.532 51.831,91.862 U4.17@51.835,91.862
  BOTTOM w0.266: J4.A3@41.975,109.247 41.975,107.566 42.629,106.912 44.297,106.912 44.801,106.409 44.801,106.402 45.016,106.186 45.016,105.768 45.026,105.759 45.026,105.538 44.87,105.382 44.629,105.382 44.14,104.893 44.14,104.262 43.528,103.65 43.528,101.043 43.508,101.023 43.508,100.628 D27.9@43.475,100.594 D27.2@43.475,99.759 43.508,99.726 43.508,98.202 43.548,98.161 43.548,98.095 46.31,95.334 48.683,95.334 49.102,95.752 49.102,97.025 v1(49.1,97.027)
USBH3_D_N: D27.4 D27.7 J4.B2 U4.25 | length 22.9
  TOP w0.266: v1(47.168,91.467) 47.212,91.512 47.377,91.512 47.411,91.545 47.632,91.545 49.581,89.596 U4.25@49.581,89.591
  BOTTOM w0.266: J4.B2@43.975,106.047 43.892,106.047 43.226,105.382 42.629,105.382 41.81,104.562 41.81,104.201 41.364,103.755 41.364,103.534 42.422,102.476 42.422,101.043 42.442,101.023 42.442,100.628 D27.7@42.475,100.594 42.442,100.561 42.442,99.912 42.422,99.892 42.422,99.759 42.422,96.253 45.5,93.175 46.833,93.175 47.578,92.431 47.578,91.94 47.168,91.53 v1(47.168,91.467)
USBH3_D_P: D27.5 D27.6 J4.B3 U4.24 | length 22.5
  TOP w0.266: v1(47.045,92.21) 47.089,92.165 47.287,92.165 47.513,91.938 47.795,91.938 49.859,89.874 U4.24@49.864,89.874
  BOTTOM w0.266: J4.B3@41.975,106.047 41.892,106.047 41.226,105.382 40.629,105.382 40.14,104.893 40.14,104.201 40.629,103.712 40.691,103.712 40.97,103.432 40.97,103.371 42.028,102.313 42.028,101.043 42.008,101.023 42.008,100.628 D27.6@41.975,100.594 42.008,100.561 42.008,99.912 42.028,99.892 42.028,99.759 42.028,96.09 45.337,92.782 46.67,92.782 47,92.452 47,92.254 v1(47.045,92.21)
USBSS0_RX_N: D16.1 D16.10 J1.161 R33.1 | length 35.7
  BOTTOM w0.266: D16.1@33.267,68.549 D16.1@33.3,68.582 D16.10@33.3,69.417 33.267,69.451 33.267,69.846 33.247,69.866 33.247,70.087 34.035,70.875 50.281,70.875 52.721,73.314 59.252,73.314 62.672,76.734 62.672,78.249 v1(62.95,78.527)
USBSS0_RX_P: D16.2 D16.9 J1.163 R34.1 | length 35.7
  BOTTOM w0.266: D16.2@32.833,68.549 D16.2@32.8,68.582 D16.9@32.8,69.417 32.833,69.451 32.833,69.846 32.853,69.866 32.853,70.25 33.872,71.268 50.118,71.268 52.558,73.708 59.089,73.708 62.278,76.897 62.278,78.249 v1(62,78.527)
USBSS0_TX_N: D16.4 D16.7 J1.166 R35.1 | length 32.9
  BOTTOM w0.266: D16.4@31.767,68.549 D16.4@31.8,68.582 D16.7@31.8,69.417 31.767,69.451 31.767,69.846 31.747,69.866 31.747,70.49 33.756,72.5 49.4,72.5 51.703,74.803 55.963,74.803 58.672,77.512 58.672,78.249 v1(58.95,78.527)
USBSS0_TX_P: D16.5 D16.6 J1.168 R36.1 | length 32.9
  BOTTOM w0.266: D16.5@31.333,68.549 D16.5@31.3,68.582 D16.6@31.3,69.417 31.333,69.451 31.333,69.846 31.353,69.866 31.353,70.653 33.593,72.893 49.237,72.893 51.54,75.196 55.8,75.196 58.278,77.675 58.278,78.249 v1(58,78.527)
VBUS_1: C49.1 C52.2 C53.2 J3.A1 J3.B1 U5.1
VBUS_2: C63.1 C66.2 C67.2 J4.A1 J4.B1 U6.1
VBUS_DET: R32.1 U4.37 | length 6.9
  TOP w0.266: v1(48.2,81.952) 49.2,82.952 49.2,83.553 U4.37@50.995,85.348
  BOTTOM w0.266: R32.1@46.25,81.002 47.2,81.952 v1(48.2,81.952)
VBUS_DETECT: J1.87 R23.2 | length 3.7
  TOP w0.266: J1.87@53.8,63.35 R23.2@53.8,67
VDD_3V3_HDMI: Q3.1 Q4.1 Q5.1 R66.2 R95.2 R96.2 U8.1 | length 40.9
  TOP w0.3: v1(90.775,39.025) 90.918,38.882 91.493,38.882 91.795,38.58 R66.2@91.795,35.55
  GND/INT_SIG_1 w0.3: v1(61.746,39.454) 62.821,39.454 v1(64.096,38.179) 64.096,36.304 67.475,32.925 v1(71.225,32.925) 72.25,33.95 85.7,33.95 v1(90.775,39.025)
  BOTTOM w0.3: Q4.1@77.162,43.625 77.175,43.638 78.47,43.638 R95.2@78.483,43.65
VDD_5V_HDMI: C82.1 C83.2 J6.18 R80.2 R88.2 U9.1 | length 24.8
  TOP w0.3: R80.2@72.525,31.175 v1(72.525,32.95) ; C83.2@81.075,31.583 82.158,31.583 84.4,33.825 84.4,34.949 84.139,35.21 J6.18@83.07,35.21
  TOP w0.5: C82.1@80.375,29.726 80.38,29.731 C82.1@80.38,29.925 ; C82.1@80.375,29.925 C82.1@80.38,29.925 ; C83.2@81.075,31.583 80.38,30.888 C82.1@80.38,29.925 ; U9.1@93.5,30.225 93.45,30.275 92.525,30.275 91.6,31.2 87.6,31.2 86.325,29.925 C82.1@80.38,29.925
X25_CAMIF_1_N: C20_CAMIF_1.1 U1_CAMIF_1.16 Y1_CAMIF_1.3 | length 9.2
  TOP w0.2: Y1_CAMIF_1.3@107.592,91.188 107.607,91.204 108.315,91.204 108.828,90.69 108.828,90.347 108.715,90.233 108.715,89.845 C20_CAMIF_1.1@108.768,89.792 108.821,89.739 109.21,89.739 109.318,89.846 109.484,89.846 111.119,88.211 111.119,86.117 111.909,85.327 112.384,85.327 U1_CAMIF_1.16@112.394,85.317
X25_CAMIF_1_P: C19_CAMIF_1.1 U1_CAMIF_1.15 Y1_CAMIF_1.1 | length 10.7
  TOP w0.2: Y1_CAMIF_1.1@107.946,93.946 107.875,93.875 107.875,92.579 108.715,91.738 108.715,91.319 109.214,90.821 109.717,90.821 C19_CAMIF_1.1@109.77,90.768 109.823,90.715 109.823,90.326 109.71,90.213 109.71,90.047 111.421,88.336 111.421,86.332 111.926,85.827 112.384,85.827 U1_CAMIF_1.15@112.394,85.817
X25_CAMIF_2_N: C20_CAMIF_2.1 U1_CAMIF_2.16 Y1_CAMIF_2.3 | length 9.2
  TOP w0.2: Y1_CAMIF_2.3@81.568,91.196 81.583,91.211 82.29,91.211 82.804,90.698 82.804,90.354 82.691,90.241 82.691,89.852 C20_CAMIF_2.1@82.744,89.799 82.797,89.746 83.186,89.746 83.294,89.854 83.46,89.854 85.095,88.219 85.095,86.125 85.885,85.335 86.36,85.335 U1_CAMIF_2.16@86.37,85.325
X25_CAMIF_2_P: C19_CAMIF_2.1 U1_CAMIF_2.15 Y1_CAMIF_2.1 | length 10.7
  TOP w0.2: Y1_CAMIF_2.1@81.921,93.954 81.851,93.883 81.851,92.586 82.691,91.746 82.691,91.327 83.189,90.829 83.692,90.829 C19_CAMIF_2.1@83.745,90.776 83.798,90.723 83.798,90.334 83.685,90.221 83.685,90.055 85.396,88.344 85.396,86.34 85.901,85.835 86.36,85.835 U1_CAMIF_2.15@86.37,85.825
X25_N: C73.1 U4.53 Y2.3 | length 11.3
  TOP w0.266: U4.53@56.369,86.763 56.392,86.763 58.587,84.568 60.685,84.568 61.357,84.568 61.925,84 62.075,84 62.317,84.242 62.317,84.36 62.473,84.516 62.833,84.516 63.297,84.052 64.606,84.052 65.533,83.125 Y2.3@65.533,83.025
X25_P: C72.1 U4.54 Y2.1 | length 8.7
  TOP w0.266: U4.54@56.652,87.045 56.726,86.971 56.726,86.949 58.739,84.936 60.838,84.936 61.461,84.936 61.925,85.4 62.075,85.4 62.317,85.158 62.317,85.04 62.473,84.884 62.986,84.884 62.989,84.881 63.488,84.881 Y2.1@63.833,85.225
XRES_CAMIF_1: R20_CAMIF_1.2 U1_CAMIF_1.17 | length 2.9
  TOP w0.168: v1(110.269,86.367) 110.333,86.304 110.333,86.079 111.594,84.817 U1_CAMIF_1.17@112.394,84.817
XRES_CAMIF_2: R20_CAMIF_2.2 U1_CAMIF_2.17 | length 2.9
  TOP w0.168: v1(84.245,86.375) 84.308,86.311 84.308,86.086 85.57,84.825 U1_CAMIF_2.17@86.37,84.825
pads on no net: D22_CAMIF_1.2 D22_CAMIF_1.4 D22_CAMIF_1.7 D22_CAMIF_1.9 D22_CAMIF_2.2 D22_CAMIF_2.4 D22_CAMIF_2.7 D22_CAMIF_2.9 D23_CAMIF_1.2 D23_CAMIF_1.4 D23_CAMIF_1.5 D23_CAMIF_1.6 D23_CAMIF_1.7 D23_CAMIF_1.9 D23_CAMIF_2.2 D23_CAMIF_2.4 D23_CAMIF_2.5 D23_CAMIF_2.6 D23_CAMIF_2.7 D23_CAMIF_2.9 D34_CAMIF_1.1 D34_CAMIF_1.2 D34_CAMIF_1.4 D34_CAMIF_1.7 D34_CAMIF_1.9 D34_CAMIF_1.10 D34_CAMIF_2.1 D34_CAMIF_2.2 D34_CAMIF_2.4 D34_CAMIF_2.7 D34_CAMIF_2.9 D34_CAMIF_2.10 D35_CAMIF_1.1 D35_CAMIF_1.2 D35_CAMIF_1.4 D35_CAMIF_1.7 D35_CAMIF_1.9 D35_CAMIF_1.10 D35_CAMIF_2.1 D35_CAMIF_2.2 D35_CAMIF_2.4 D35_CAMIF_2.7 D35_CAMIF_2.9 D35_CAMIF_2.10 J1. J1.9 J1.11 J1.27 J1.29 J1.39 J1.40 J1.41 J1.42 J1.45 J1.46 J1.47 J1.48 J1.51 J1.52 J1.53 J1.54 J1.57 J1.58 J1.59 J1.60 J1.64 J1.66 J1.70 J1.72 J1.76 J1.78 J1.82 J1.84 J1.88 J1.90 J1.92 J1.99 J1.101 J1.103 J1.105 J1.114 J1.118 J1.121 J1.122 J1.123 J1.124 J1.126 J1.127 J1.128 J1.130 J1.167 J1.169 J1.172 J1.173 J1.174 J1.175 J1.182 J1.183 J1.189 J1.191 J1.203 J1.205 J1.206 J1.207 J1.209 J1.212 J1.216 J1.217 J1.218 J1.219 J1.220 J1.221 J1.222 J1.223 J1.224 J1.225 J1.226 J1.227 J1.228 J1.229 J1.232 J1.234 J1.235 J1.236 J1.238 J1.240 J5. J6.14 J7. J7.6 J7.8 J7.20 J7.22 J7.24 J7.26 J7.28 J7.30 J7.32 J7.34 J7.36 J7.38 J7.46 J7.48 J7.54 J7.56 J7.58 J7.67 J7.69 J12.4 R114.1 U1_CAMIF_1.1 U1_CAMIF_1.2 U1_CAMIF_1.3 U1_CAMIF_1.12 U1_CAMIF_1.13 U1_CAMIF_1.14 U1_CAMIF_1.26 U1_CAMIF_1.27 U1_CAMIF_1.43 U1_CAMIF_1.44 U1_CAMIF_1.45 U1_CAMIF_1.46 U1_CAMIF_1.47 U1_CAMIF_1.48 U1_CAMIF_1.49 U1_CAMIF_1.50 U1_CAMIF_1.51 U1_CAMIF_1.52 U1_CAMIF_1.53 U1_CAMIF_1.54 U1_CAMIF_2.1 U1_CAMIF_2.2 U1_CAMIF_2.3 U1_CAMIF_2.12 U1_CAMIF_2.13 U1_CAMIF_2.14 U1_CAMIF_2.26 U1_CAMIF_2.27 U1_CAMIF_2.43 U1_CAMIF_2.44 U1_CAMIF_2.45 U1_CAMIF_2.46 U1_CAMIF_2.47 U1_CAMIF_2.48 U1_CAMIF_2.49 U1_CAMIF_2.50 U1_CAMIF_2.51 U1_CAMIF_2.52 U1_CAMIF_2.53 U1_CAMIF_2.54 U8.3
copper on no net:
  other v1: 89,49 90.5,50.5 88,51 89.5,52.5 87,53 88.5,54.5 -5.35,64.925 -5.825,65.4 -6.325,65.9 -6.792,66.373

## Polygon pours and split planes (outlines as drawn)
3V3 on TOP "3V3_L01_P072" (solid, pour order 72): 30.1,91.92 30.1,90.62 31.65,90.62 34.328,91.039 34.328,92.861 33.789,92.861
3V3 on TOP "3V3_L01_P073" (solid, pour order 73): 30.1,76.12 30.105,76.125 31.65,76.12 34.34,76.903 34.34,78.717 33.8,78.717 31.65,77.92 30.1,77.92
3V3 on TOP "3V3_L01_P074" (solid, pour order 74): 30.1,74.42 31.65,74.42 33.786,74.506 34.325,74.506 34.325,72.686 34.328,72.683 33.786,72.683 31.65,73.62 30.1,73.62
NetL4_CAMIF_2_2 on TOP "NETL4_CAMIF_2_2_L01_P054" (solid, pour order 54): 80.318,104.036 80.318,103.136 80.268,102.7 80.268,100.05 80.918,100.05 82.033,100.865 82.033,101.885 80.968,104.036
PoC_PWR_CAMIF_2 on TOP "POC_PWR_CAMIF_2_L01_P056" (solid, pour order 56): 79.121,97.872 79.121,99.328 79.518,103.136 79.518,104.036 78.868,104.036 77.728,102.7 77.728,100.05 77.867,97.872
PoC_PWR_CAMIF_2 on TOP "POC_PWR_CAMIF_2_L01_P058" (solid, pour order 58): 90.07,104.025 90.07,103.125 89.871,99.452 89.871,98.197 88.415,98.197 88.275,100.025 88.275,102.675 89.42,104.025
NetL8_CAMIF_2_2 on TOP "NETL8_CAMIF_2_2_L01_P060" (solid, pour order 60): 90.87,104.025 90.87,103.125 90.815,102.675 90.815,100.025 91.465,100.025 92.57,100.865 92.57,101.885 91.52,104.025
NetL6_CAMIF_2_2 on TOP "NETL6_CAMIF_2_2_L01_P062" (solid, pour order 62): 87.933,95.16 89.048,95.975 89.698,95.975 89.698,93.325 89.693,92.875 89.693,91.975 89.043,91.975 87.933,94.14
PoC_PWR_CAMIF_2 on TOP "POC_PWR_CAMIF_2_L01_P064" (solid, pour order 64): 90.493,91.975 91.143,91.975 92.238,93.325 92.238,95.975 92.121,97.8 90.665,97.8 90.665,96.545 90.493,92.875
NetL2_CAMIF_2_2 on TOP "NETL2_CAMIF_2_2_L01_P066" (solid, pour order 66): 77.445,85.96 78.085,85.96 78.495,85.92 81.145,85.92 81.145,85.27 78.045,83.55 77.145,83.55 77.145,84.2
PoC_PWR_CAMIF_2 on TOP "POC_PWR_CAMIF_2_L01_P068" (solid, pour order 68): 77.145,82.75 78.495,83.38 81.145,83.38 81.145,82.73 79.871,82.128 79.871,80.672 78.573,80.672 77.145,82.1
ETH_GND on TOP "ETH_GND_L01_P052" (solid, pour order 52): 30,99.542 6,99.542 6,122.642 30,122.642
PoC_PWR_CAMIF_1 on TOP "POC_PWR_CAMIF_1_L01_P067" (solid, pour order 67): 103.169,82.742 104.519,83.372 107.169,83.372 107.169,82.722 105.895,82.12 105.895,80.664 104.597,80.664 103.169,82.092
NetL2_CAMIF_1_2 on TOP "NETL2_CAMIF_1_2_L01_P065" (solid, pour order 65): 103.469,85.952 104.109,85.952 104.519,85.912 107.169,85.912 107.169,85.262 104.069,83.542 103.169,83.542 103.169,84.192
PoC_PWR_CAMIF_1 on TOP "POC_PWR_CAMIF_1_L01_P063" (solid, pour order 63): 116.518,91.967 117.168,91.967 118.263,93.317 118.263,95.967 118.146,97.792 116.689,97.792 116.689,96.538 116.518,92.867
NetL6_CAMIF_1_2 on TOP "NETL6_CAMIF_1_2_L01_P061" (solid, pour order 61): 113.958,95.152 115.073,95.967 115.723,95.967 115.723,93.317 115.718,92.867 115.718,91.967 115.068,91.967 113.958,94.132
NetL8_CAMIF_1_2 on TOP "NETL8_CAMIF_1_2_L01_P059" (solid, pour order 59): 116.894,104.017 116.894,103.117 116.839,102.667 116.839,100.017 117.489,100.017 118.594,100.857 118.594,101.877 117.544,104.017
PoC_PWR_CAMIF_1 on TOP "POC_PWR_CAMIF_1_L01_P057" (solid, pour order 57): 116.094,104.017 116.094,103.117 115.896,99.444 115.896,98.189 114.439,98.189 114.299,100.017 114.299,102.667 115.444,104.017
PoC_PWR_CAMIF_1 on TOP "POC_PWR_CAMIF_1_L01_P055" (solid, pour order 55): 105.145,97.864 105.145,99.32 105.543,103.129 105.543,104.029 104.893,104.029 103.753,102.692 103.753,100.042 103.891,97.864
NetL4_CAMIF_1_2 on TOP "NETL4_CAMIF_1_2_L01_P053" (solid, pour order 53): 106.343,104.029 106.343,103.129 106.293,102.692 106.293,100.042 106.943,100.042 108.058,100.857 108.058,101.877 106.993,104.029
no net on BOTTOM "NONET_L04_P071" (solid, pour order 71): 30,99.542 6,99.542 6,122.642 30,122.642
no net on GND/INT_SIG_1 "NONET_L02_P069" (solid, pour order 69): 30,99.542 6,99.542 6,122.642 30,122.642
no net on GND/INT_SIG_2 "NONET_L03_P070" (solid, pour order 70): 30,99.542 6,99.542 6,122.642 30,122.642

## Other copper
TOP:
  pour cut-out: 105.207,92.33 107.994,95.117 108.044,95.117 111.774,91.492 107.774,87.492
  pour cut-out: 79.182,92.338 81.97,95.125 82.02,95.125 85.75,91.5 81.75,87.5
  pour cut-out: 61,82 66.75,82 66.75,87.5 61,87.5
GND/INT_SIG_1:
  pour cut-out: 105.207,92.33 107.994,95.117 108.044,95.117 111.774,91.492 107.774,87.492
  pour cut-out: 79.182,92.338 81.97,95.125 82.02,95.125 85.75,91.5 81.75,87.5
  pour cut-out: 61,82 66.75,82 66.75,87.5 61,87.5
GND/INT_SIG_2:
  pour cut-out: 105.207,92.33 107.994,95.117 108.044,95.117 111.774,91.492 107.774,87.492
  pour cut-out: 79.182,92.338 81.97,95.125 82.02,95.125 85.75,91.5 81.75,87.5
  pour cut-out: 61,82 66.75,82 66.75,87.5 61,87.5
BOTTOM:
  pour cut-out: 105.207,92.33 107.994,95.117 108.044,95.117 111.774,91.492 107.774,87.492
  pour cut-out: 79.182,92.338 81.97,95.125 82.02,95.125 85.75,91.5 81.75,87.5
  pour cut-out: 61,82 66.75,82 66.75,87.5 61,87.5

## Silkscreen, mask and mechanical layers (free items; w line width, h text height)
Top Overlay:
  drawing of 38 lines, arcs and shapes, not listed
  text "Redo USB conn. wiring / Redo routing once stackup finalized" at 32.525,123.775 h1
  text "CAM I2C" at 104.35,75.85 h0.5
  text "SDA" at 105.625,74.75 h0.5
  text "SCL" at 105.625,73.75 h0.5
  text "RECOVERY" at 51.968,72.925 h1
  text "M.2" at -12.8,70.375 h1
  text "I doubt 90% of this shit will work" at 9.8,48 h0.75
  text "run jetson power on top layer since this area should be mostly empty" at 7.35,33.85 h0.5
  text "VisionBETA" at 8.709,5.675 h4
  text "Designed with invaluable insight from Cass" at 8.409,3.458 h1
Bottom Overlay:
  drawing of 6 lines, arcs and shapes, not listed
  text "HDMI I/O / VOLTAGE / JUMP." at 100.4,23.675 h1
  text "1V8 / 3V3" at 84.075,23.65 h1
  text "Proudly designed on company time" at 121.775,2.883 h1
Mechanical 1:
  the board outline again, w0.254
  text "impedance re-routing: / m.2 ok / eth ok / usb ok, no pwr / cams ok / hdmi ok but i2c is marked as diff, could be bad - check /  / CHECK PAIR SKEW SPECS" at 152.8,91.075 h1.52
  text "USING JLC04161H-7628" at 3.679,-2.346 h1.52